# Altium PCB motordriver-v5.2.PcbDoc (part 4 of 7) (continued)
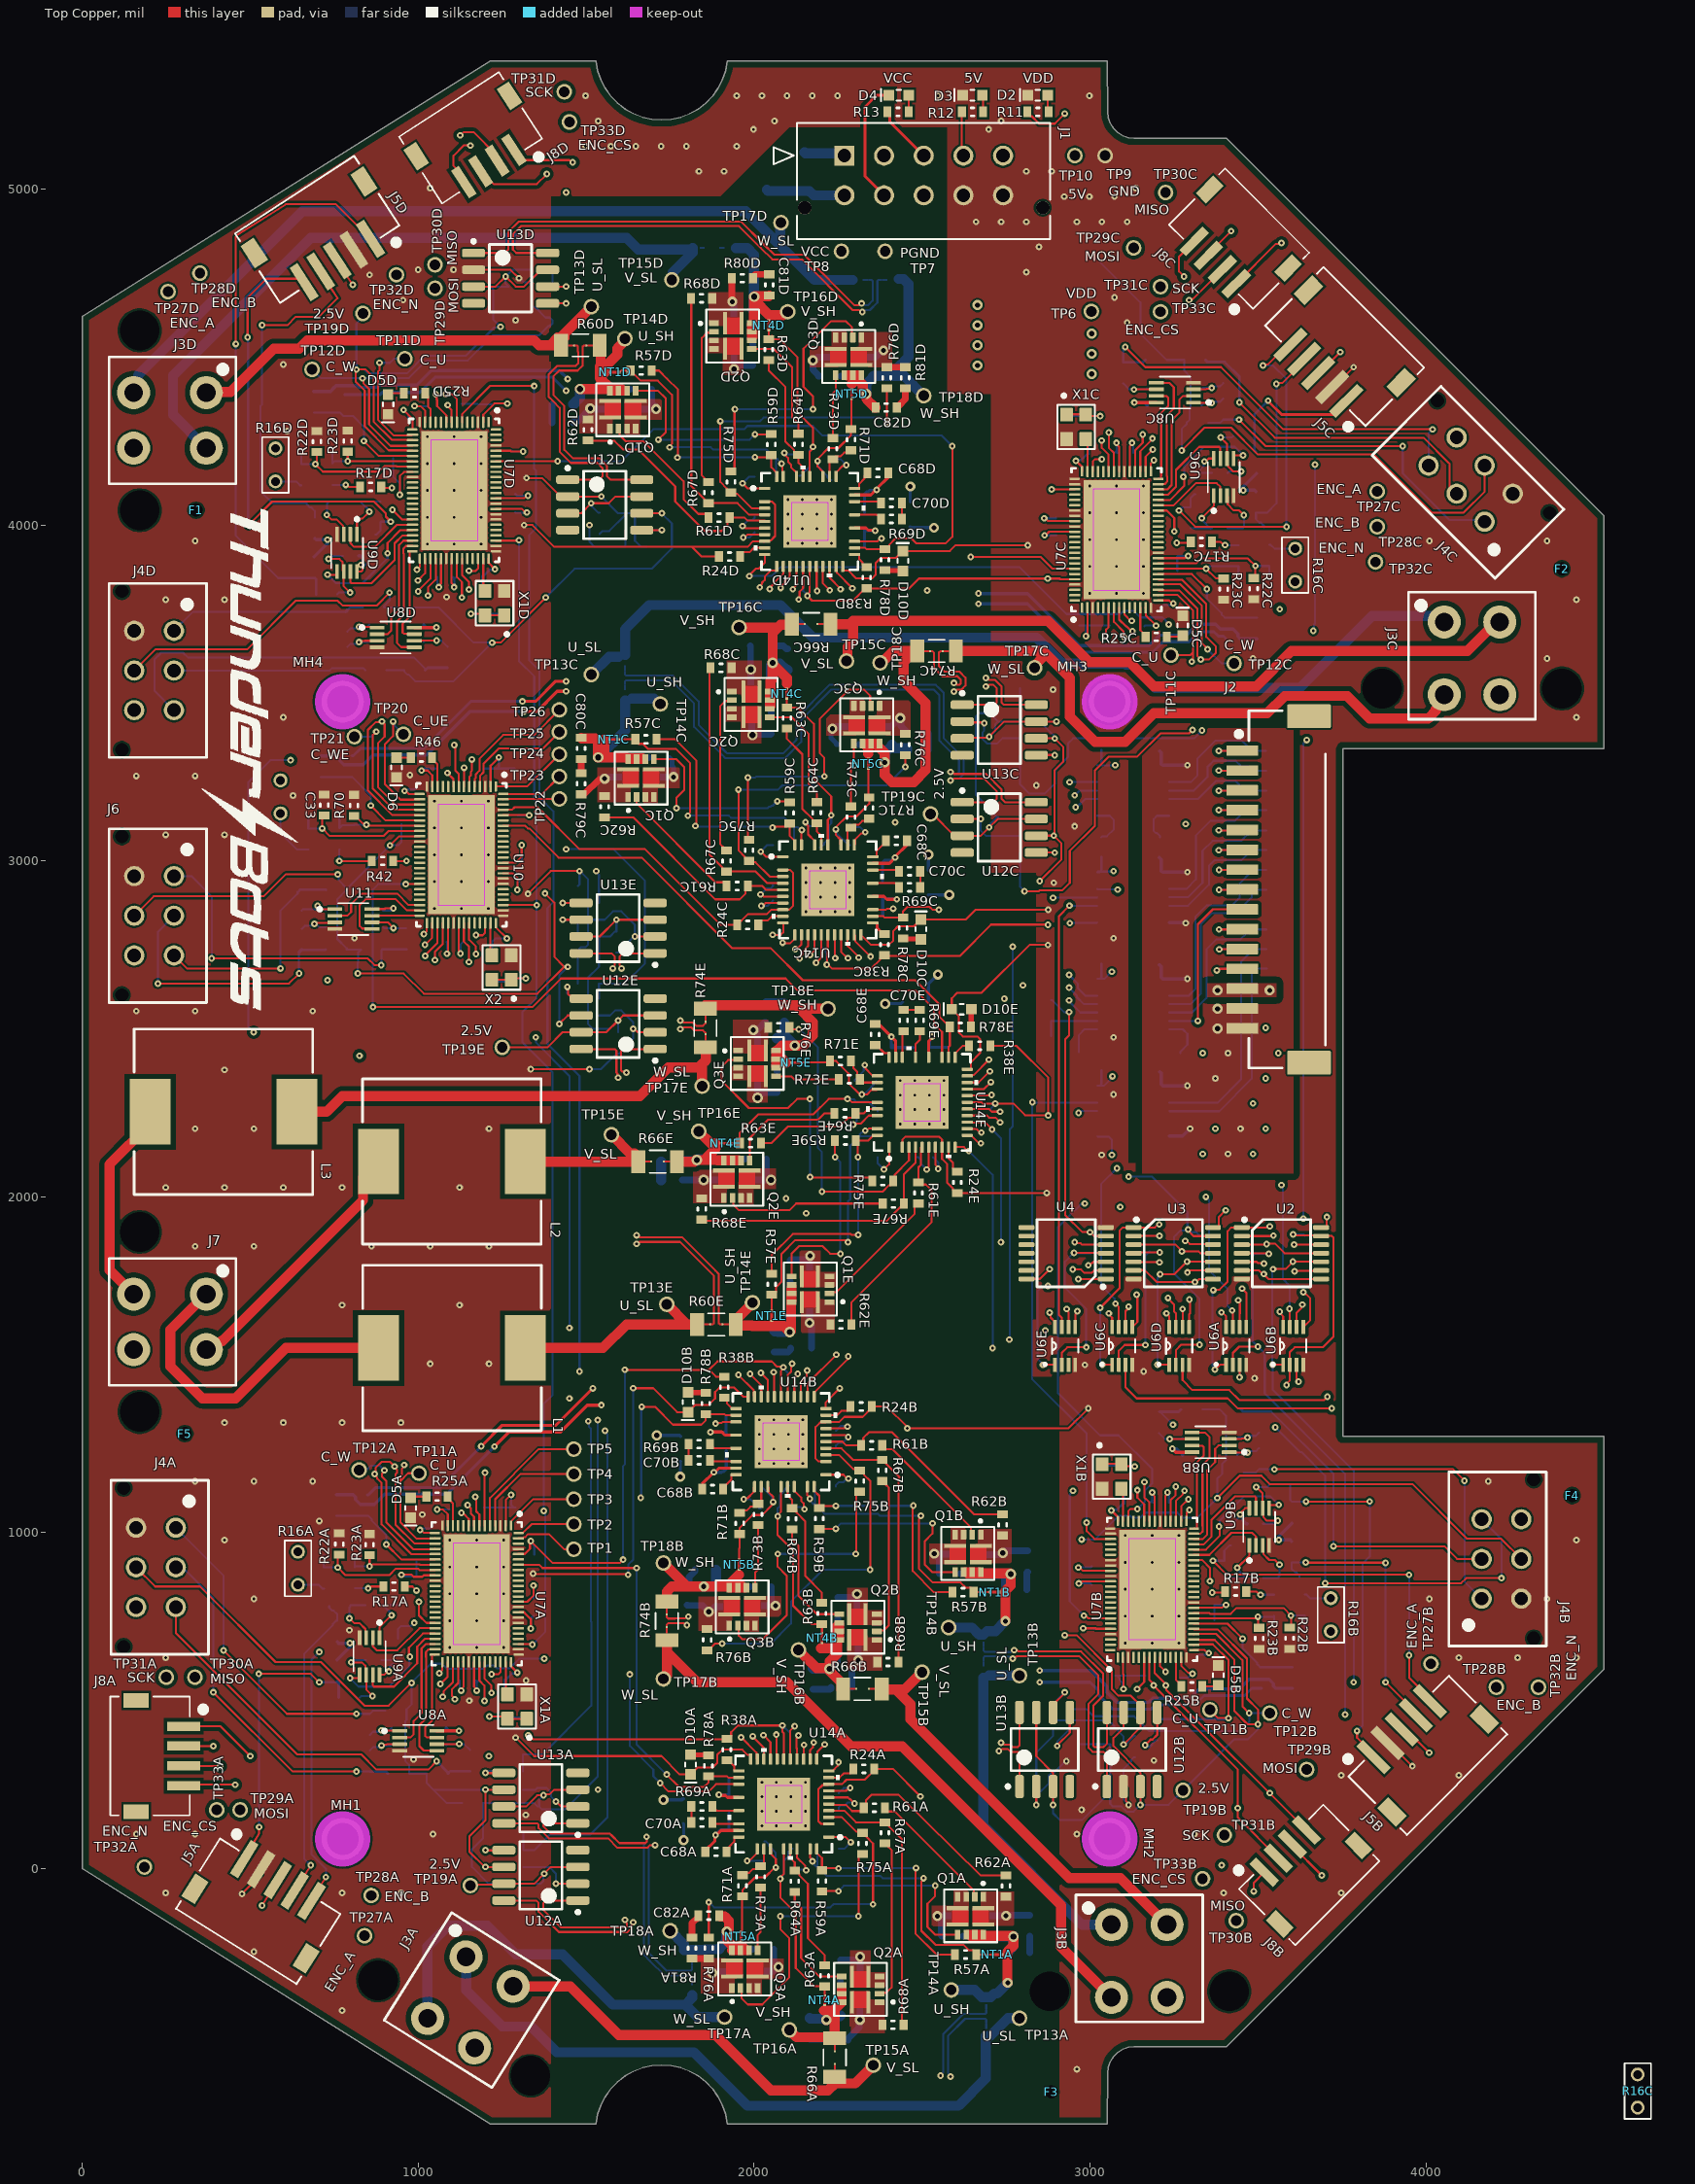
[diagram p0: Top Copper view]
## Nets (pads, with @x,y where several pads share a name; then routed paths per layer and width w, separated by ;. In a path a pad name is that pad's centre, name@x,y a point inside that pad or via, vN(x,y) a via of type N, cw(c..) or ccw(c..) an arc to the next point about the centre after c; other vN are vias at no path point) (continued)
  Top Copper w6: v1(729.99,3852.07) 756.3,3852.07 U9D.5@758.46,3854.23 ; v1(908.52,3916.2) 908.52,3946.6 947.01,3985.08 U7D.34@983.05,3985.08
  Bottom Copper w6: v1(729.99,3852.07) 754.99,3827.07 833.99,3827.07 908.5,3901.57 v1(908.52,3916.2)
ENC_BA: J5A.4 R33A.2 R36A.1 TP28A.1 | length 1141.1
  Top Copper w6: J5A.4@632.15,-64.95 662.53,-17.9 v1(680,10)
  Signal Layer 2 w6: v1(680,10) 770,10 TP28A.1@860,-80
  Bottom Copper w6: v1(680,10) 680,10.36 660,30.36 660,639.08 746.24,725.32 746.24,729.26 755.05,738.07 R33A.2@758.99,738.07 758.99,757.08 748.25,767.82 744.31,767.82 735,777.13 R36A.1@735,781.07
ENC_BB: J5B.4 R33B.2 R36B.1 TP28B.1 | length 1170.7
  Top Copper w6: v1@3642.07,912.07 3643.19,910.94 3879.06,910.94 v1(3880,910) ; v1(3880,555) 3981.3,453.7 J5B.4@3981.45,453.7
  Signal Layer 2 w6: v1(3880,555) 3895,540 TP28B.1@4210,540
  Bottom Copper w6: R36B.1@3623.98,868.88 3623.98,872.82 3614.67,882.13 3610.73,882.13 3599.99,892.88 R33B.2@3599.99,911.88 v1(3642.07,911.88) ; v1(3880,555) v1(3880,910)
ENC_BC: J5C.4 R33C.2 R36C.1 TP28C.1 | length 1198.8
  Top Copper w6: v1(3555,4420) 3557.62,4422.62 3572.47,4422.62 J5C.4@3636.3,4486.45
  Signal Layer 2 w6: v1(3555,4420) 3590,4420 3900,4110 3900,4075 3855,4030 TP28C.1@3855,3995
  Bottom Copper w6: R36C.1@3517.98,3993.78 3517.98,3997.71 3508.67,4007.02 3504.73,4007.02 3493.99,4017.77 R33C.2@3493.99,4036.78 3526.78,4036.78 3555,4065 v1(3555,4420)
ENC_BD: J5D.4 R33D.2 R36D.1 TP28D.1 | length 1306
  Top Copper w6: v1(535,4595) 610,4595 635,4620 705,4620 760,4675 738.83,4707.53 J5D.4@709.53,4755.28
  Signal Layer 2 w6: TP28D.1@350,4750 505,4595 v1(535,4595)
  Bottom Copper w6: v1(535,4595) 535,4358.61 530,4353.61 530,4100.92 564.85,4066.07 R36D.1@668,4066.07 668,4062.13 677.31,4052.82 681.25,4052.82 691.99,4042.08 R33D.2@691.99,4023.07
ENC_N_CTRLA: U7A.33 U9A.2 | length 243.3
  Top Copper w6: U9A.2@864.83,687.49 864.83,661.23 875.99,650.07 937.99,650.07 1003.75,715.83 U7A.33@1050.05,715.83
ENC_N_CTRLB: U7B.33 U9B.2 | length 243.3
  Top Copper w6: U7B.33@3308.93,934.12 3355.23,934.12 3420.99,999.88 3482.99,999.88 3494.15,988.73 U9B.2@3494.15,962.47
ENC_N_CTRLC: U7C.33 U9C.2 | length 243.3
  Top Copper w6: U7C.33@3202.93,4059.01 3249.23,4059.01 3314.99,4124.78 3376.99,4124.78 3388.15,4113.62 U9C.2@3388.15,4087.36
ENC_N_CTRLD: U7D.33 U9D.2 | length 243.3
  Top Copper w6: U9D.2@797.83,3972.49 797.83,3946.23 808.99,3935.07 870.99,3935.07 936.75,4000.83 U7D.33@983.05,4000.83
ENC_TRIG1A: C20A.2 R35A.2 U9A.1 | length 172.6
  Top Copper w6: U9A.1@884.52,687.49 884.52,718.34 v1(920.52,754.34)
  Bottom Copper w6: C20A.2@890.82,785.06 C20A.2@894.17,785.06 ; v1(920.52,754.34) 917.9,756.96 917.9,761.33 C20A.2@894.17,785.06 ; R35A.2@939.99,785.06 C20A.2@894.17,785.06
ENC_TRIG1B: C20B.2 R35B.2 U9B.1 | length 185.3
  Top Copper w6: v1(3438.46,895.61) 3474.46,931.61 U9B.1@3474.46,962.47
  Bottom Copper w6: R35B.2@3400,853.32 3411.57,864.89 3464.81,864.89 v1@3441.08,888.62 ; C20B.2@3468.16,864.89 C20B.2@3468.45,865.18
ENC_TRIG1C: C20C.2 R35C.2 U9C.1 | length 177.8
  Top Copper w6: v1(3332.46,4020.5) 3368.46,4056.5 U9C.1@3368.46,4087.36
  Bottom Copper w6: R35C.2@3300,3990.08 C20C.2@3358.52,3990.08 ; v1@3335.08,4013.51 C20C.2@3358.52,3990.08 ; C20C.2@3358.81,3989.78 C20C.2@3358.52,3990.08 ; C20C.2@3362.45,3990.08 C20C.2@3358.52,3990.08
ENC_TRIG1D: C20D.2 R35D.2 U9D.1 | length 190.5
  Top Copper w6: U9D.1@817.52,3972.49 817.52,4007.07 830.03,4019.58 834.67,4019.58 v1(854.47,4039.38)
  Bottom Copper w6: C20D.2@823.53,4069.77 C20D.2@827.46,4069.77 ; v1(854.47,4039.38) 854.47,4042.76 C20D.2@827.46,4069.77 ; R35D.2@887.54,4069.77 C20D.2@827.46,4069.77
ENC_TRIG2A: C21A.2 R36A.2 U9A.3 | length 170.3
  Top Copper w6: v1(794.99,745.07) 808.99,731.07 824.99,731.07 842.76,713.29 842.76,689.87 U9A.3@845.15,687.49
  Bottom Copper w6: v1(794.99,745.07) 794.99,778.07 R36A.2@797.99,781.07 ; R36A.2@797.99,784.77 C21A.2@843.28,784.77
ENC_TRIG2B: C21B.2 R36B.2 U9B.3 | length 170.3
  Top Copper w6: U9B.3@3513.83,962.47 3516.22,960.08 3516.22,936.66 3533.99,918.88 3549.99,918.88 v1(3563.99,904.88)
  Bottom Copper w6: C21B.2@3515.7,865.18 R36B.2@3560.99,865.18 ; R36B.2@3560.99,868.88 3563.99,871.88 v1(3563.99,904.88)
ENC_TRIG2C: C21C.2 R36C.2 U9C.3 | length 170.3
  Top Copper w6: U9C.3@3407.83,4087.36 3410.22,4084.98 3410.22,4061.55 3427.99,4043.78 3443.99,4043.78 v1(3457.99,4029.78)
  Bottom Copper w6: C21C.2@3409.7,3990.08 R36C.2@3454.99,3990.08 ; R36C.2@3454.99,3993.78 3457.99,3996.78 v1(3457.99,4029.78)
ENC_TRIG2D: C21D.2 R36D.2 U9D.3 | length 170.3
  Top Copper w6: v1(727.99,4030.07) 741.99,4016.07 757.99,4016.07 775.76,3998.29 775.76,3974.87 U9D.3@778.15,3972.49
  Bottom Copper w6: v1(727.99,4030.07) 727.99,4063.07 R36D.2@730.99,4066.07 ; R36D.2@730.99,4069.77 C21D.2@776.28,4069.77
ENC_TRIG3A: C22A.2 R37A.2 U9A.6 | length 232
  Top Copper w6: v1(799.99,614.07) 832.45,614.07 842.33,604.18 842.33,579.67 U9A.6@845.15,576.86 845.15,532.91 v1(863.99,514.07)
  Bottom Copper w6: v1(799.99,614.07) 803.69,614.07 810,620.38 C22A.2@843.74,620.38 ; R37A.2@825.98,509.07 830.98,514.07 v1(863.99,514.07)
ENC_TRIG3B: C22B.2 R37B.2 U9B.6 | length 232.7
  Top Copper w6: v1(3494.99,1135.88) 3513.83,1117.04 U9B.6@3513.83,1073.1 3516.65,1070.28 3516.65,1045.77 3526.53,1035.88 v1(3558.99,1035.88)
  Bottom Copper w6: v1(3494.99,1135.88) 3528,1135.88 R37B.2@3533,1140.88 ; C22B.2@3515.7,1026.6 3545.73,1026.6 3555.02,1035.88 v1(3558.99,1035.88)
ENC_TRIG3C: C22C.2 R37C.2 U9C.6 | length 221.6
  Top Copper w6: v1(3388.99,4260.78) 3407.83,4241.93 U9C.6@3407.83,4197.99 3407.83,4181.26 3410.65,4178.44 3410.65,4175.55 3426.65,4159.55 v1(3449.68,4159.55)
  Bottom Copper w6: v1(3388.99,4260.78) 3422,4260.78 R37C.2@3427,4265.78 ; C22C.2@3409.7,4155.38 3413.87,4159.55 v1(3449.68,4159.55)
ENC_TRIG3D: C22D.2 R37D.2 U9D.6 | length 232.7
  Top Copper w6: v1(732.99,3899.07) 765.45,3899.07 775.33,3889.19 775.33,3864.67 U9D.6@778.15,3861.86 778.15,3817.91 v1(796.99,3799.07)
  Bottom Copper w6: v1(732.99,3899.07) 736.96,3899.07 746.25,3908.35 C22D.2@776.28,3908.35 ; R37D.2@758.98,3794.07 763.98,3799.07 v1(796.99,3799.07)
ENCA_N: J5A.1 R34A.2 R37A.1 TP32A.1 | length 1249
  Top Copper w6: J5A.1@481.99,29.07 509.8,77.73 526.34,104.16 v1(526.34,123.66) ; v1(525,580) 680,580 v1(705,555)
  Signal Layer 2 w6: TP32A.1@185,5 407.69,5 v1(526.34,123.66)
  Bottom Copper w6: v1(525,580) 525.67,579.33 525.67,124.33 v1(526.34,123.66) ; v1(705,555) 756.91,555 R34A.2@758.99,557.08
  Bottom Copper w8: R34A.2@758.99,557.08 762.99,553.08 R37A.1@762.99,509.07
ENCB_N: J5B.1 R34B.2 R37B.1 TP32B.1 | length 1682
  Top Copper w6: v1@3643.06,1093.06 v1(3832.84,1093.06) ; v1(3795,410) 3795,389.6 J5B.1@3856.17,328.43
  Signal Layer 2 w6: v1(3795,410) 4205,410 TP32B.1@4335,540
  Bottom Copper w6: R37B.1@3595.99,1140.88 3595.99,1096.88 R34B.2@3599.99,1092.88 v1(3643.06,1092.88) ; v1(3795,410) 3811.53,426.53 3811.53,908.18 3832.84,929.49 v1(3832.84,1093.06)
ENCC_N: J5C.1 R34C.2 R37C.1 TP32C.1 | length 1353.1
  Top Copper w8: v1(3530,4370) 3570.65,4329.35 3729.75,4329.35 J5C.1@3761.57,4361.17
  Signal Layer 2 w8: v1(3530,4370) 3530,4440 3555,4465 3630,4465 3940,4155 3940,3980 TP32C.1@3850,3890
  Bottom Copper w8: R34C.2@3493.99,4217.77 3489.99,4221.77 R37C.1@3489.99,4265.78 3489.99,4329.99 v1(3530,4370)
ENCD_N: J5D.1 R34D.2 R37D.1 TP32D.1 | length 2318.3
  Top Copper w6: v1(456.85,4539.16) 456.85,4858.52 464.93,4866.6 465.41,4867.08 605.83,4955 754.93,4955 J5D.1@858.03,4851.9
  Signal Layer 2 w6: v1(456.85,4539.16) 539.16,4539.16 585,4585 585,4615 760,4790 890,4790 TP32D.1@935,4745
  Bottom Copper w6: v1(456.85,4539.16) 456.85,3968.15 582.92,3842.08 R34D.2@691.99,3842.08
  Bottom Copper w8: R34D.2@691.99,3842.08 695.99,3838.08 R37D.1@695.99,3794.07
FAULT: R78E.1 U10.70 U14E.23 | length 1694.5
  Top Copper w6: U10.70@1251.9,3104.97 1318.22,3104.97 1326.4,3096.78 1330.78,3096.78 1417.56,3010 1665,3010 1935,2740 2050,2740 2145,2645 2480,2645 2550.99,2574.01 2550.99,2536.98 2569.75,2518.23 2573.68,2518.23 2582.49,2509.42 R78E.1@2582.49,2505.48 2582.49,2449.98 2579.06,2446.55 U14E.23@2579.06,2415.27
FAULTA: R78A.1 U7A.70 U14A.23 | length 1263.1
  Top Copper w6: U7A.70@1298.08,904.81 1360.19,904.81 1370,895 v1(1650,895) ; v1(1739.49,280.51) 1776.93,243.07 1850.99,243.07 1863.99,256.07 R78A.1@1863.99,274.57 1919.49,274.57 1922.92,271.14 U14A.23@1954.2,271.14
  Bottom Copper w6: v1(1650,895) 1650,370 v1(1739.49,280.51)
FAULTB: R78B.1 U7B.70 U14B.23 | length 2371
  Top Copper w6: v1(1665,1375) 1705,1375 1758.19,1321.81 1843.12,1321.81 1856.12,1334.81 R78B.1@1856.12,1353.31 1911.61,1353.31 1915.04,1349.88 U14B.23@1946.32,1349.88 ; v1(2982.01,753.33) 2986.39,753.33 2994.58,745.14 U7B.70@3060.9,745.14
  Signal Layer 2 w6: v1(1662.6,1104.2) 1946.59,1104.2 1962.16,1119.76 2940.36,1119.76 2945.59,1124.99 v1(2949.29,1124.99)
  Bottom Copper w6: v1(1662.6,1104.2) 1663.8,1105.4 1663.8,1373.8 v1(1665,1375) ; v1(2949.29,1124.99) 2949.29,1123.93 2940,1114.64 2940,795.34 v1(2982.01,753.33)
FAULTC: R78C.1 U7C.70 U14C.23 | length 1639.2
  Top Copper w6: U14C.23@2353.3,2835.31 2384.58,2835.31 2388.01,2831.88 R78C.1@2443.51,2831.88 2443.51,2850.39 2456.51,2863.39 2522.51,2863.39 2530.89,2855 v1(2550,2855) ; v1(2645,3905) 2853.61,3905 2888.58,3870.04 U7C.70@2954.9,3870.04
  Signal Layer 1 w6: v1(2550,2855) 2550,2950 2645,3045 v1(2645,3905)
FAULTD: R78D.1 U7D.70 U14D.23 | length 2019.4
  Top Copper w6: U7D.70@1231.08,4189.81 1334.81,4189.81 1335,4190 v1(1415,4190) ; U14D.23@2299.19,3931.99 2330.47,3931.99 2333.91,3928.56 R78D.1@2389.4,3928.56 2393.34,3928.56 2402.65,3937.88 2402.65,3941.81 2420.91,3960.07 2468.4,3960.07 2483.47,3945 2570,3945 2590,3965 v1(2590,4235)
  Bottom Copper w6: v1(1415,4190) 1605,4190 1700,4285 1970,4285 1980,4295 2175,4295 2203.69,4266.31 2558.69,4266.31 v1(2590,4235)
GND: C1.1 C2.1 C4A.1 C4B.1 C6A.1 C6B.1 C6C.1 C6D.1 C7A.1 C7B.1 C7C.1 C7D.1 C8A.1 C8B.1 C8C.1 C8D.1 C9A.1 C9B.1 C9C.1 C9D.1 C9E.1 C10A.1 C10B.1 C10C.1 C10D.1 C11A.1 C11B.1 C11C.1 C11D.1 C12A.1 C12B.1 C12C.1 C12D.1 C13A.1 C13B.1 C13C.1 C13D.1 C14A.1 C14B.1 C14C.1 C14D.1 C15A.1 C15B.1 C15C.1 C15D.1 C16A.1 C16B.1 C16C.1 C16D.1 C17A.1 C17B.1 C17C.1 C17D.1 C18A.1 C18B.1 C18C.1 C18D.1 C19A.1 C19B.1 C19C.1 C19D.1 C20A.1 C20B.1 C20C.1 C20D.1 C21A.1 C21B.1 C21C.1 C21D.1 C22A.1 C22B.1 C22C.1 C22D.1 C23A.1 C23B.1 C23C.1 C23D.1 C24A.1 C24B.1 C24C.1 C24D.1 C25A.1 C25B.1 C25C.1 C25D.1 C26A.1 C26B.1 C26C.1 C26D.1 C27A.1 C27B.1 C27C.1 C27D.1 C28A.1 C28B.1 C28C.1 C28D.1 C29A.1 C29B.1 C29C.1 C29D.1 C30A.1 C30B.1 C30C.1 C30D.1 C31.1 C33.1 C34.1 C35.1 C36.1 C37.1 C38.1 C39.1 C40.1 C41.1 C42.1 C43.1 C44.1 C45.1 C46.1 C47.1 C48.1 C49.1 C50.1 C51.1 C52C.1 C53A.1 C53B.1 C53C.1 C53D.1 C53E.1 C54A.1 C54B.1 C54C.1 C54D.1 C54E.1 C55A.1 C55B.1 C55C.1 C55D.1 C55E.1 C56A.1 C56B.1 C56C.1 C56D.1 C56E.1 C57A.1 C57B.1 C57C.1 C57D.1 C57E.1 C58A.1 C58B.1 C58C.1 C58D.1 C58E.1 C76A.1 C76B.1 D2.2 D3.2 D5A.2 D5B.2 D5C.2 D5D.2 D6.2 D10A.2 D10B.2 D10C.2 D10D.2 D10E.2 J1.9 J1.10 J4A.4 J4B.4 J4C.4 J4D.4 J5A.2 J5B.2 J5C.2 J5D.2 J6.4 R15A.2 R15B.2 R22A.2 R22B.2 R22C.2 R22D.2 R23A.2 R23B.2 R23C.2 R23D.2 R24A.2 R24B.2 R24C.2 R24D.2 R24E.2 R40A.2 R40B.2 R40C.2 R40D.2 R40E.2 R54.2 R70.2 TP9.1 U1.1 U2.7 U3.7 U4.7 U5A.9 U5A.15 U5B.9 U5B.15 U6A.4 U6B.4 U6C.4 U6D.4 U6E.4 U7A.3 U7A.14 U7A.24 U7A.44 U7A.53 U7A.54 U7A.59 U7A.60 U7A.62 U7A.73 U7A.77 U7B.3 U7B.14 U7B.24 U7B.44 U7B.53 U7B.54 U7B.59 U7B.60 U7B.62 U7B.73 U7B.77 U7C.3 U7C.14 U7C.24 U7C.44 U7C.53 U7C.54 U7C.59 U7C.60 U7C.62 U7C.73 U7C.77 U7D.3 U7D.14 U7D.24 U7D.44 U7D.53 U7D.54 U7D.59 U7D.60 U7D.62 U7D.73 U7D.77 U8A.4 U8B.4 U8C.4 U8D.4 U9A.4 U9B.4 U9C.4 U9D.4 U10.3 U10.14 U10.24 U10.44 U10.53 U10.54 U10.59 U10.60 U10.62 U10.73 U10.77 U11.4 U12A.2 U12B.2 U12C.2 U12D.2 U12E.2 U13A.2 U13B.2 U13C.2 U13D.2 U13E.2 U14A.2 U14A.8 U14A.21 U14B.2 U14B.8 U14B.21 U14C.2 U14C.8 U14C.21 U14D.2 U14D.8 U14D.21 U14E.2 U14E.8 U14E.21 U15A.9 U15A.15 U15B.9 U15B.15 X1A.2 X1B.2 X1C.2 X1D.2 X2.2 | length 12883.2
  Top Copper w6: v1(475,-75) 532.04,-17.96 J5A.2@532.04,-2.27 ; U13D.2@1164.53,4760 1275,4760 v1(1300,4735) ; U10.73@1252.53,3152.21 1279.22,3152.21 1287.01,3160 1355,3160 1480,3035 1675,3035 1900.61,2809.39 R24C.2@1949.52,2809.39 1949.52,2813.32 1958.33,2822.13 1962.26,2822.13 1982.2,2842.07 2038.19,2842.07 2051.12,2855 U14C.8@2085.59,2855 2105,2855 2116.51,2866.51 2116.51,2964.39 2107.79,2973.11 U14C.2@2085.59,2973.11 ; v1(1290,390) 1345,335 1724.06,335 1778.63,280.43 D10A.2@1810.78,280.43 1831.41,301.07 1875.99,301.07 1890.24,315.32 1890.24,339.32 1904.99,354.07 1965.02,354.07 1980.82,338.27 1987.21,338.27 1989.63,335.85 U14A.21@1989.63,326.26 ; v1(1315,4000) 1340,4000 1405,3935 1815,3935 ; v1(1322.32,4140) 1368.35,4140 1423.35,4085 U12D.2@1445,4085 v1(1545,4085) ; v1(1326.71,2902.05) 1394.66,2970 v1(1480,2970) ; v1(1335,2380) v1(1510,2380) ; v1(1341.84,878.65) 1343.67,876.83 1623.17,876.83 v1(1625,875) ; v1(1410,-45) U12A.2@1475.24,-45 ; v1(1410,200) 1410.89,200 1425.89,185 U13A.2@1475.24,185 ; v1(1639.83,1430.42) 1699.5,1430.42 1770.75,1359.17 D10B.2@1802.91,1359.17 1823.54,1379.81 1863.73,1379.81 1883.72,1399.79 1883.72,1419 1896.73,1432.02 1940.74,1432.02 1967.76,1405 U14B.21@1981.76,1405 ; v1(1640,2500) 1643.7,2500 1653.7,2490 U12E.2@1705.47,2490 ; v1(1645,2775) U13E.2@1705.24,2775 ; R24D.2@1895.41,3906.07 1843.93,3906.07 1815,3935 ; U14D.8@2029.06,3949.26 U14D.8@2031.48,3951.68 2033.9,3954.1 2049.28,3954.1 2062.4,3967.23 2062.4,4061.07 2053.68,4069.79 U14D.2@2031.48,4069.79 ; U14D.8@2029.06,3951.68 1997.01,3951.68 1980.33,3935 1815,3935 ; U14B.2@2214.04,1212.09 2191.84,1212.09 2183.12,1220.81 2183.12,1314.65 2196.24,1327.78 2211.62,1327.78 U14B.8@2214.04,1330.2 2253.92,1330.2 2268.72,1345 2323.24,1345 2350.11,1371.87 R24B.2@2350.11,1375.81 2394.84,1375.81 2456.21,1314.44 v1(2456.21,1311.03) 2936.03,1311.03 v1(2995,1370) ; U14A.2@2221.91,133.35 2199.71,133.35 2190.99,142.07 2190.99,235.91 2204.12,249.04 2219.49,249.04 U14A.8@2221.91,251.46 2261.46,251.46 2275,265 2329.85,265 2357.98,293.13 R24A.2@2357.98,297.07 2412.93,297.07 v1(2495,215) ; U14D.21@2263.76,3876.88 2263.76,3867.53 2266.18,3865.1 2279.95,3865.1 2303.99,3841.07 2351.07,3841.07 2361.96,3851.95 2361.96,3887.04 2376.99,3902.07 2421.98,3902.07 D10D.2@2442.61,3922.7 2582.7,3922.7 2600,3940 v1(2815,3940) ; U14C.21@2317.87,2780.19 2346.99,2751.07 2401.99,2751.07 2414.24,2763.32 2414.24,2791.32 2428.31,2805.39 2476.08,2805.39 D10C.2@2496.72,2826.02 2631.02,2826.02 2660.07,2855.07 2875.63,2855.07 v1(2875.7,2855) ; U14E.2@2441.27,2147.56 2441.27,2169.76 2449.99,2178.48 2551.52,2178.48 2559.38,2170.62 U14E.8@2559.38,2147.56 ; U14E.8@2559.38,2145.13 2559.38,2113.09 2575,2097.47 2575,2041.48 2592.24,2024.24 2592.24,2020.3 2601.05,2011.49 R24E.2@2604.99,2011.49 2605.15,2011.65 v1(2871.28,2011.65) ; U12C.2@2619.53,3125 v1(2675,3125) ; U13C.2@2619.53,3415 2622.03,3412.5 2682.5,3412.5 v1(2685,3410) ; U14E.21@2634.18,2379.84 2643.53,2379.84 2645.95,2382.26 2645.95,2401.31 2672.99,2428.34 2672.99,2469.13 2664.79,2477.32 2621.7,2477.32 2608.99,2490.04 2608.99,2538.05 D10E.2@2588.35,2558.69 2588.35,2590.84 2604.99,2607.48 2677.48,2607.48 2820,2750 v1(2875,2750) ; v1(2840,190) U13B.2@2840,244.53 ; v1@2929.86,319.86 v1(2930,320) ; U12B.2@3100,244.53 3107.62,236.9 3107.62,201.08 3115,193.7 v1(3115,190) ; J5C.2@3721.45,4411.3 3726.3,4411.3 v1(3785,4470) ; J5B.2@3886.3,373.55 3891.45,373.55 v1(3960,305)
  Signal Layer 1 w6: v1(2495,215) 2935,215 v1(2975,175)
  Bottom Copper w6: v1(1300,4735) 1302.14,4735 1314.4,4722.75 1328.2,4722.75 1337.01,4713.94 C57D.1@1337.01,4710 ; C57A.1@1311.5,235 1349.22,235 1354.08,239.86 1382.61,239.86 1395.09,227.38 1395.09,214.91 v1(1410,200) ; C54A.1@1312.99,5 1390,5 1410,-15 v1(1410,-45) ; C53E.1@1475,2635 C9E.1@1475,2685 R40E.2@1475,2730 1475,2733.94 1483.81,2742.75 1497.75,2742.75 1505,2750 1505,2840 ; C56E.1@1475,2925 1480,2930 v1(1480,2970) 1481.3,2970 1505,2946.3 1505,2840 ; v1(1510,2380) 1544.06,2380 1591.06,2427.01 C55E.1@1595,2427.01 1598.94,2427.01 1607.75,2435.82 1607.75,2439.76 1640,2472.01 v1(1640,2500) 1640,2520 1605,2555 1585.9,2555 1570.9,2540 C54E.1@1537.99,2540 ; C55D.1@1540,3973.5 1548.81,3982.31 1568.26,3982.31 1617.01,4031.06 C54D.1@1617.01,4035 ; v1(1545,4085) 1595,4035 C54D.1@1617.01,4035 ; C58E.1@1590,2727.01 1593.94,2727.01 1641.93,2775 v1(1645,2775) 1645,2810 1605,2850 1580,2850 1555,2825 C57E.1@1537.99,2825 1520,2825 1505,2840 ; v1(1625,875) 1625,905 1639.83,919.83 v1(1639.83,1430.42) ; C53D.1@1680,3935 1663.51,3935 1645,3953.51 1645,4025 1635,4035 C54D.1@1617.01,4035 ; v1(2675,3125) 2675,3090 2690,3075 C54C.1@2792.01,3075 ; v1(2685,3410) 2685,3387.32 2680,3382.32 2680,3363.35 2693.35,3350 2724.1,3350 2739.1,3365 C57C.1@2792.01,3365 ; v1(2840,190) 2840,217.07 ; C54B.1@2890,412.01 2889.71,411.72 2889.71,394.71 2840,345 2840,217.07 ; v1(2930,320) 2927.44,320 2893.94,286.5 C55B.1@2890,286.5 2886.06,286.5 2877.25,277.69 2877.25,254.32 2840,217.07 ; v1(3115,190) 3100,205 3100,297.01 3101.76,298.77 3122.25,319.26 3122.25,323.2 3131.06,332.01 C57B.1@3135,332.01
  other v1: 1320,160 3190,322.16 985.99,325.07 1151.99,500.07 1321.16,560.07 795,710 705,1035 1012.15,1054.07 3490,1460 3160,1480 2985,1500 3035,2125 3070,2305 3070,2475 809.99,2770.07 3070,2770 2892.16,2935 2954.22,3103.21 627.46,3194.6 2840,3225 974.92,3255.87 2890,3510 1084.22,3785.84 610,4280 1290,4610 955,4670 855,4745 1000,4760 1105,4760
  other v2: 2960.6,-597.04 773.1,-422.04 510.6,-247.04 248.1,-72.04 773.1,-72.04 948.1,-72.04 3398.1,-72.04 3748.1,-72.04 160.6,102.96 335.6,102.96 1043.83,102.96 2960.6,102.96 3310.6,102.96 3748.1,277.96 4098.1,277.96 248.1,627.96 4098.1,627.96 4273.1,627.96 4448.1,627.96 1094.07,658.19 1174.07,658.19 1254.07,658.19 3104.91,671.76 3184.91,671.76 3264.91,671.76 1094.07,738.19 1174.07,738.19 1254.07,738.19 3104.91,751.76 3184.91,751.76 3264.91,751.76 510.6,802.96 4010.6,802.96 4360.6,802.96 1094.07,818.19 1174.07,818.19 1254.07,818.19 3104.91,831.76 3184.91,831.76 3264.91,831.76 1094.07,898.19 1174.07,898.19 1254.07,898.19 3104.91,911.76 3184.91,911.76 3264.91,911.76 423.1,977.96 1094.07,978.19 1174.07,978.19 1254.07,978.19 4448.1,977.96 3104.91,991.76 3184.91,991.76 3264.91,991.76 335.6,1152.96 510.6,1152.96 685.6,1152.96 4185.6,1152.96 423.1,1327.96 598.1,1327.96 773.1,1327.96 948.1,1327.96 1035.6,1502.96 1210.6,1502.96 773.1,1677.96 1123.1,1677.96 335.6,1852.96 510.6,1852.96 860.6,1852.96 1035.6,1852.96 1210.6,1852.96 248.1,2027.96 423.1,2027.96 598.1,2027.96 773.1,2027.96 1123.1,2027.96 335.6,2202.96 510.6,2202.96 1210.6,2202.96 423.1,2377.96 160.6,2552.96 335.6,2552.96 685.6,2552.96 1048.51,2858.35 1128.51,2858.35 1208.51,2858.35 1048.51,2938.35 1128.51,2938.35 1208.51,2938.35 1048.51,3018.35 1128.51,3018.35 1208.51,3018.35 248.1,3077.96 423.1,3077.96 1048.51,3098.35 1128.51,3098.35 1208.51,3098.35 1048.51,3178.35 1128.51,3178.35 1208.51,3178.35 160.6,3252.96 335.6,3252.96 598.1,3427.96 4448.1,3427.96 3485.6,3602.96 4360.6,3602.96 248.1,3777.96 423.1,3777.96 4448.1,3777.96 2998.91,3796.65 3078.91,3796.65 3158.91,3796.65 2998.91,3876.65 3078.91,3876.65 3158.91,3876.65 1027.07,3943.19 1107.07,3943.19 1187.07,3943.19 335.6,3952.96 4010.6,3952.96 4360.6,3952.96 2998.91,3956.65 3078.91,3956.65 3158.91,3956.65 1027.07,4023.19 1107.07,4023.19 1187.07,4023.19 2998.91,4036.65 3078.91,4036.65 3158.91,4036.65 1027.07,4103.19 1107.07,4103.19 1187.07,4103.19 2998.91,4116.65 3078.91,4116.65 3158.91,4116.65 1027.07,4183.19 1107.07,4183.19 1187.07,4183.19 1027.07,4263.19 1107.07,4263.19 1187.07,4263.19 598.1,4477.96 3110.6,4602.96 3073.1,4677.96 2810.6,4752.96 2848.1,4827.96 2660.6,4902.96 2735.6,4902.96 2810.6,4902.96 2960.6,4902.96 3035.6,4902.96 3110.6,4902.96 2923.1,4977.96 2998.1,4977.96 3073.1,4977.96 1035.6,5002.96 3135.6,5002.96 1835.6,5052.96 1910.6,5052.96 2810.6,5052.96 2885.6,5052.96 1498.1,5127.96 1573.1,5127.96 1648.1,5127.96 1723.1,5127.96 1798.1,5127.96 1948.1,5127.96 1998.1,5177.96 2698.1,5177.96 1535.6,5202.96 2060.6,5202.96 2735.6,5202.96 1498.1,5277.96 1948.1,5277.96 2023.1,5277.96 2098.1,5277.96 2173.1,5277.96 2248.1,5277.96 2548.1,5277.96 2998.1,5277.96
HALL_TRIG1A: C11A.2 R29A.2 U8A.1 | length 128.4
  Top Copper w6: v1(890.52,411.51) 943.08,411.51 U8A.1@944.66,409.93
  Bottom Copper w6: R29A.2@855.99,398.07 865.3,407.38 886.39,407.38 v1(890.52,411.51) 913.92,411.51 C11A.2@921.04,418.63
HALL_TRIG1B: C11B.2 R29B.2 U8B.1 | length 128.4
  Top Copper w6: U8B.1@3414.32,1240.03 3415.9,1238.44 v1(3468.46,1238.44)
  Bottom Copper w6: C11B.2@3437.94,1231.32 3445.06,1238.44 v1(3468.46,1238.44) 3472.59,1242.57 3493.68,1242.57 R29B.2@3502.99,1251.88
HALL_TRIG1C: C11C.2 R29C.2 U8C.1 | length 128.4
  Top Copper w6: U8C.1@3308.32,4364.92 3309.9,4363.34 v1(3362.46,4363.34)
  Bottom Copper w6: C11C.2@3331.94,4356.22 3339.06,4363.34 v1(3362.46,4363.34) 3366.59,4367.47 3387.68,4367.47 R29C.2@3396.99,4376.78
HALL_TRIG1D: C11D.2 R29D.2 U8D.1 | length 128.4
  Top Copper w6: v1(823.52,3696.51) 876.08,3696.51 U8D.1@877.66,3694.93
  Bottom Copper w6: R29D.2@788.99,3683.07 798.3,3692.38 819.39,3692.38 v1(823.52,3696.51) 846.92,3696.51 C11D.2@854.04,3703.63
HALL_TRIG1E: C36.2 R50.2 U11.1 | length 140.9
  Top Copper w6: v1(700.28,2866.36) 703.99,2866.36 714.02,2856.33 751.41,2856.33 U11.1@751.67,2856.6
  Bottom Copper w6: R50.2@652.99,2852.07 656.99,2856.07 700.28,2856.07 ; v1(700.28,2866.36) 700.28,2856.07 ; C36.2@725,2853.07 722,2856.07 700.28,2856.07
HALL_TRIG2A: C12A.2 R30A.2 U8A.3 | length 129.8
  Top Copper w6: v1(890.52,366.58) 893.33,369.39 906.68,369.39 907.85,370.56 U8A.3@944.66,370.56
  Bottom Copper w6: R30A.2@855.99,352.07 865.3,361.38 885.32,361.38 v1(890.52,366.58) 917.22,366.58 C12A.2@922.02,371.38
HALL_TRIG2B: C12B.2 R30B.2 U8B.3 | length 129.8
  Top Copper w6: U8B.3@3414.32,1279.4 3451.13,1279.4 3452.3,1280.56 3465.65,1280.56 v1(3468.46,1283.37)
  Bottom Copper w6: C12B.2@3436.96,1278.57 3441.76,1283.37 v1(3468.46,1283.37) 3473.66,1288.57 3493.68,1288.57 R30B.2@3502.99,1297.88
HALL_TRIG2C: C12C.2 R30C.2 U8C.3 | length 129.8
  Top Copper w6: U8C.3@3308.32,4404.29 3345.13,4404.29 3346.3,4405.46 3359.65,4405.46 v1(3362.46,4408.27)
  Bottom Copper w6: C12C.2@3330.96,4403.46 3335.76,4408.27 v1(3362.46,4408.27) 3367.66,4413.47 3387.68,4413.47 R30C.2@3396.99,4422.78
HALL_TRIG2D: C12D.2 R30D.2 U8D.3 | length 129.8
  Top Copper w6: v1(823.52,3651.58) 826.33,3654.39 839.68,3654.39 840.85,3655.56 U8D.3@877.66,3655.56
  Bottom Copper w6: R30D.2@788.99,3637.07 798.3,3646.38 818.32,3646.38 v1(823.52,3651.58) 850.22,3651.58 C12D.2@855.02,3656.38
HALL_TRIG2E: C37.2 R51.2 U11.3 | length 143.8
  Top Copper w6: v1(690.99,2813.07) 693.07,2815.15 749.6,2815.15 U11.3@751.67,2817.23
  Bottom Copper w6: R51.2@653.99,2798.07 663.3,2807.38 681.33,2807.38 687.02,2813.07 v1(690.99,2813.07) 694.96,2813.07 704.96,2803.07 C37.2@725,2803.07
HALL_TRIG3A: C13A.2 R31A.2 U8A.6 | length 146.4
  Top Copper w6: U8A.6@1055.29,370.56 1055.54,370.81 1121.73,370.81 v1(1121.99,371.07)
  Bottom Copper w6: C13A.2@1083.44,367.45 1087.06,371.07 v1(1121.99,371.07) 1135.98,371.07 R31A.2@1153.99,353.06
HALL_TRIG3B: C13B.2 R31B.2 U8B.6 | length 146.4
  Top Copper w6: v1(3236.99,1278.88) 3237.25,1279.14 3303.44,1279.14 U8B.6@3303.69,1279.4
  Bottom Copper w6: R31B.2@3204.99,1296.89 3223,1278.88 v1(3236.99,1278.88) 3271.92,1278.88 C13B.2@3275.54,1282.51
HALL_TRIG3C: C13C.2 R31C.2 U8C.6 | length 146.4
  Top Copper w6: v1(3130.99,4403.78) 3131.25,4404.03 3197.44,4404.03 U8C.6@3197.69,4404.29
  Bottom Copper w6: R31C.2@3098.99,4421.78 3117,4403.78 v1(3130.99,4403.78) 3165.92,4403.78 C13C.2@3169.54,4407.4
HALL_TRIG3D: C13D.2 R31D.2 U8D.6 | length 146.4
  Top Copper w6: U8D.6@988.29,3655.56 988.54,3655.81 1054.73,3655.81 v1(1054.99,3656.07)
  Bottom Copper w6: C13D.2@1016.44,3652.45 1020.06,3656.07 v1(1054.99,3656.07) 1068.98,3656.07 R31D.2@1086.99,3638.06
HALL_TRIG3E: C38.2 R52.2 U11.6 | length 141.7
  Top Copper w6: U11.6@862.31,2817.23 909.83,2817.23 926.16,2800.9 v1(926.16,2800.07)
  Bottom Copper w6: C38.2@894.98,2803.07 897.98,2800.07 v1(926.16,2800.07) R52.2@963.99,2800.07
HALL_UX_CTRLA: U7A.38 U8A.7 | length 294.9
  Top Copper w6: U7A.38@1049.42,637.09 1042.35,637.09 1041.26,636 1041.26,628.93 1040.99,628.66 1040.99,441.22 1020.45,420.68 1020.45,395.17 1024.55,391.07 1054.46,391.07 U8A.7@1055.29,390.24
HALL_UX_CTRLB: U7B.38 U8B.7 | length 294.9
  Top Copper w6: U8B.7@3303.69,1259.71 3304.52,1258.88 3334.43,1258.88 3338.53,1254.78 3338.53,1229.27 3317.99,1208.73 3317.99,1021.29 3317.72,1021.02 3317.72,1013.95 3316.63,1012.86 U7B.38@3309.56,1012.86
HALL_UX_CTRLC: U7C.38 U8C.7 | length 294.9
  Top Copper w6: U8C.7@3197.69,4384.6 3198.52,4383.78 3228.43,4383.78 3232.53,4379.67 3232.53,4354.16 3211.99,4333.62 3211.99,4146.19 3211.72,4145.91 3211.72,4138.84 3210.63,4137.75 U7C.38@3203.56,4137.75
HALL_UX_CTRLD: U7D.38 U8D.7 | length 294.9
  Top Copper w6: U7D.38@982.42,3922.09 975.35,3922.09 974.26,3921 974.26,3913.93 973.99,3913.66 973.99,3726.22 953.45,3705.68 953.45,3680.17 957.55,3676.07 987.46,3676.07 U8D.7@988.29,3675.24
HALL_UX_CTRLE: U10.38 U11.7 | length 141.7
  Top Copper w6: U11.7@862.31,2836.91 862.47,2837.08 1003.69,2837.08 U10.38@1003.86,2837.25
HALL_UXA: J4A.1 R26A.2 R29A.1 | length 987.8
  Top Copper w6: v1(420,650) 608.94,461.06 v1(816.06,461.06)
  Bottom Copper w6: J4A.1@278.11,1015 420,873.11 v1(420,650) ; v1(816.06,461.06) R29A.1@855.99,461.06 865,470.07 R26A.2@902,470.07
HALL_UXB: J4B.1 R26B.2 R29B.1 | length 1048.1
  Top Copper w6: v1@3549.08,1189.08 4080.92,1189.08 v1(4115,1155)
  Bottom Copper w6: R26B.2@3456.98,1179.88 3493.98,1179.88 R29B.1@3502.99,1188.89 v1(3549.08,1188.89) ; v1(4115,1155) 4115,854.78 J4B.1@4165.89,803.89
HALL_UXC: J4C.1 R26C.2 R29C.1 | length 1001
  Top Copper w6: v1(3443.78,4313.78) 3522.57,4235 v1(3931.03,4235)
  Bottom Copper w6: R26C.2@3350.98,4304.78 3387.98,4304.78 R29C.1@3396.99,4313.78 v1(3443.78,4313.78) ; v1(3931.03,4235) 3931.03,4153.97 4070,4015 4170,4015 J4C.1@4175,4010
HALL_UXD: J4D.1 R26D.2 R29D.1 | length 591.5
  Bottom Copper w6: J4D.1@272.53,3685.07 329.32,3741.85 R29D.1@784.78,3741.85 ; R29D.1@788.99,3746.06 798,3755.07 R26D.2@835,3755.07
  Bottom Copper w10: R29D.1@784.78,3741.85 R29D.1@788.99,3746.06
HALL_UXE: J6.3 R47.2 R50.1 | length 669.4
  Top Copper w6: J6.3@272.53,2718.85 311.38,2680 v1(590,2680)
  Bottom Copper w6: v1(590,2680) 590,2852.07 R50.1@641.24,2903.31
  Bottom Copper w8: R50.1@641.24,2903.31 641.24,2907.25 649.05,2915.06 R50.1@652.99,2915.06 724,2915.06 R47.2@724.99,2914.07
HALL_V_CTLRA: U7A.37 U8A.5 | length 377.4
  Top Copper w6: U7A.37@1049.97,652.76 1030.19,652.76 1023.99,646.56 1023.99,645.15 1022.82,643.98 1022.82,630.21 1023.99,629.04 1023.99,448.28 1003.44,427.72 1003.44,364.77 1016.51,351.7 1054.46,351.7 U8A.5@1055.29,350.87
HALL_V_CTLRB: U7B.37 U8B.5 | length 377.4
  Top Copper w6: U8B.5@3303.69,1299.08 3304.52,1298.25 3342.47,1298.25 3355.54,1285.18 3355.54,1222.23 3334.99,1201.68 3334.99,1020.92 3336.16,1019.75 3336.16,1005.97 3334.99,1004.81 3334.99,1003.39 3328.79,997.2 U7B.37@3309.01,997.2
HALL_V_CTLRC: U7C.37 U8C.5 | length 377.4
  Top Copper w6: U8C.5@3197.69,4423.97 3198.52,4423.15 3236.47,4423.15 3249.54,4410.07 3249.54,4347.12 3228.99,4326.57 3228.99,4145.81 3230.16,4144.64 3230.16,4130.87 3228.99,4129.7 3228.99,4128.28 3222.79,4122.09 U7C.37@3203.01,4122.09
HALL_V_CTLRD: U7D.37 U8D.5 | length 377.4
  Top Copper w6: U7D.37@982.97,3937.76 963.19,3937.76 956.99,3931.56 956.99,3930.15 955.82,3928.98 955.82,3915.21 956.99,3914.04 956.99,3733.28 936.44,3712.72 936.44,3649.77 949.51,3636.7 987.46,3636.7 U8D.5@988.29,3635.87
HALL_V_CTLRE: U10.37 U11.5 | length 302.1
  Top Copper w6: U11.5@862.31,2797.54 860.78,2799.07 832.99,2799.07 825.99,2806.07 825.99,2869.07 842.99,2886.07 932.99,2886.07 966.06,2853 U10.37@1004.49,2853